# Altium PCB ZoM-Model-A.PcbDoc (part 3 of 3)
Units mm, origin at the board's own origin, x right, y up, seen from the top; angles counter-clockwise.
Board outline 75 x 40 mm, 6 copper layers (L 01, L 02 Gnd, L 03 1.8V 3.3V, L 04 1.0V SIG, L 05 Gnd, L 06), stack 1.207 mm thick; 145 components, 295 nets, 917 pads, 329 vias.
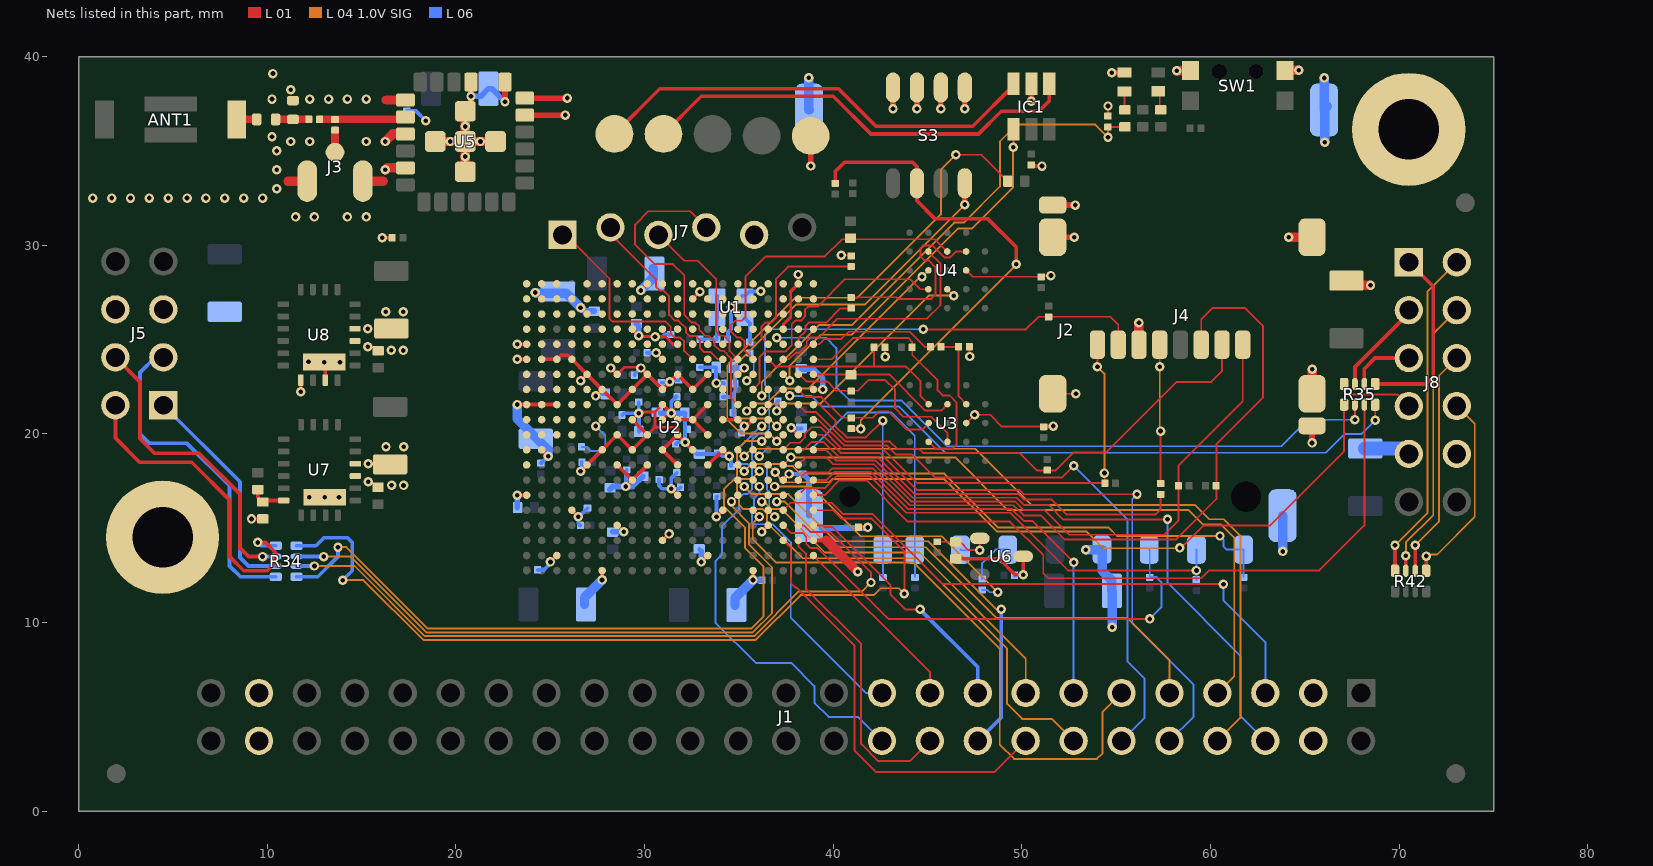
[diagram p7: the nets of this part, all layers, seen from the top]

## Via types
v1: diameter 0.5, hole 0.25, L 01 to L 06, 329 vias

## Nets (pads, with @x,y where several pads share a name; then routed paths per layer and width w, separated by ;. In a path a pad name is that pad's centre, name@x,y a point inside that pad or via, vN(x,y) a via of type N, cw(c..) or ccw(c..) an arc to the next point about the centre after c; other vN are vias at no path point) (continued)
GND: C1.2 C2.2 C3.2 C4.2 C5.2 C6.2 C7.2 C8.2 C9.2 C10.2 C11.2 C12.2 C13.2 C14.2 C15.2 C16.2 C17.2 C18.2 C19.2 C20.2 C21.2 C22.1 C23.2 C24.2 C25.2 C26.2 C27.2 C28.2 C29.2 C30.2 C31.1 C32.1 C33.1 C34.2 C35.2 C36.2 C37.2 C38.2 C39.2 C40.2 C41.2 C42.2 C43.2 C44.2 C45.2 C46.2 C47.2 C48.2 C49.2 C50.2 C51.2 C52.2 C53.2 C54.2 C55.2 C56.2 C57.2 C58.2 C59.2 C60.1 C61.2 C62.2 C63.2 C64.2 C65.2 D3.K H1.1 H4.1 IC1.2 J1.3 J1.4 J1.47 J1.48 J2.3 J2.12 J3.2 J3.3 J4.6 J4.9 J4.10 J4.F1 J4.F2 J4.F3 J4.F4 J5.5 J5.6 J7.5 J8.5 J8.11 L3.2 R9.1 R10.1 R11.1 R13.1 R33.2 R41.2 S3.1 S3.2 S3.3 S3.4 SW1.3 SW1.4 TP2.1 U1.2 U2.A8 U2.A18 U2.B1 U2.B11 U2.C4 U2.C9 U2.C14 U2.D17 U2.E10 U2.E20 U2.F3 U2.F7 U2.F10 U2.G10 U2.G12 U2.G16 U2.H7 U2.H9 U2.H11 U2.H13 U2.H19 U2.J2 U2.J8 U2.J10 U2.J12 U2.K5 U2.K7 U2.K9 U2.K10 U2.K11 U2.K13 U2.K15 U2.L8 U2.L9 U2.L10 U2.L12 U2.L18 U2.M1 U2.M7 U2.M11 U2.M13 U2.N4 U2.N8 U2.N10 U2.N12 U2.N14 U2.P7 U2.P9 U2.P11 U2.P13 U2.P17 U2.R8 U2.R12 U2.R20 U2.T3 U2.T7 U2.T13 U2.U6 U2.U16 U2.V6 U2.V9 U2.V19 U2.W2 U2.W6 U2.W9 U2.W12 U2.Y5 U2.Y6 U2.Y9 U2.Y15 U3.B3 U4.B3 U5.5 U5.6 U5.7 U5.9 U5.13 U5.15 U5.17 U5.25 U5.26 U5.27 U5.28 U5.29 U6.3 U7.3 U7.4 U7.21 U8.3 U8.4 U8.17 U8.19 U8.21 | length 196.8
  L 01 w0.1: v1(29.687,25.215) v1@29.697,25.205 ; U2.L10@30.947,20.755 31.347,21.155 U2.K9@31.747,21.555 ; v1(40.426,29.473) R10.1@40.926,29.473 ; v1(42.748,24.097) 42.748,24.591 R13.1@42.749,24.592 ; U4.B3@47.042,28.669 47.382,28.329 C7.2@50.88,28.329 ; U3.B3@47.052,20.577 v1(47.489,21.014) 48.311,21.014 48.935,20.39 C22.1@51.147,20.39 ; v1@47.197,24.087 47.223,24.113 R11.1@47.223,24.623 ; C20.2@50.49,34.248 C20.2@50.542,34.196 ; v1@50.503,37.702 v1@50.55,37.654 ; C7.2@51.019,28.335 51.076,28.392 v1(51.535,28.392) ; J4.F2@51.628,22.131 v1(52.861,22.131) ; v1@51.635,20.39 v1(51.664,20.418) ; R9.1@54.561,36.855 v1@54.561,37.381
  L 01 w0.15: U2.P7@28.547,23.155 28.922,23.53 29.772,23.53 v1(29.807,23.495) ; v1(29.687,21.095) 29.746,21.154 30.546,21.154 ; v1@29.697,25.205 29.746,25.157 v1(30.554,25.157) 31.102,25.157 31.504,24.755 U2.K5@31.747,24.755 ; v1@29.772,27.58 v1(29.797,27.605) ; U2.M11@30.147,19.955 30.546,20.354 ; U2.L9@30.947,21.555 30.546,21.154 ; 31.747,20.402 31.699,20.354 30.546,20.354 ; U2.C4@37.347,25.555 37.347,25.791 37.744,26.188 37.744,27.552 ; 30.546,20.354 30.546,21.154
  L 01 w0.2: v1(9.165,15.493) R33.2@9.746,15.493 ; U8.17@11.775,22.85 11.775,22.245 v1@11.782,22.237 ; v1(13.025,23.8) 13.075,23.75 U8.19@13.075,22.85 ; v1(16.1,30.4) C64.2@16.615,30.4 ; v1(23.252,16.755) U2.Y15@23.747,16.755 ; v1(23.252,21.555) U2.Y9@23.747,21.555 U2.W9@24.547,21.555 U2.V9@25.347,21.555 ; v1(23.252,23.955) U2.Y6@23.747,23.955 ; v1(23.252,24.755) U2.Y5@23.747,24.755 ; v1(24.207,27.495) U2.W2@24.547,27.155 ; U2.W12@24.547,19.155 v1(24.887,18.815) ; U2.W6@24.547,23.955 U2.V6@25.347,23.955 25.562,24.17 25.932,24.17 U2.U6@26.147,23.955 U2.T7@26.947,23.155 ; v1(25.007,13.215) U2.V19@25.347,13.555 ; U2.U16@26.147,15.955 v1(26.487,15.615) ; v1(26.607,18.015) U2.T13@26.947,18.355 U2.R12@27.747,19.155 U2.P11@28.547,19.955 U2.N12@29.347,19.155 U2.M11@30.147,19.955 U2.N10@29.347,20.755 v1(29.687,21.095) ; v1(26.607,22.815) U2.T7@26.947,23.155 ; v1(26.607,26.695) U2.T3@26.947,26.355 ; v1(27.407,22.015) U2.R8@27.747,22.355 ; v1(27.747,12.26) U2.R20@27.747,12.755 ; v1(28.207,23.495) U2.P7@28.547,23.155 ; U2.P17@28.547,15.155 v1(28.887,14.815) ; U2.P13@28.547,18.355 U2.N14@29.347,17.555 ; v1(29.007,17.215) U2.N14@29.347,17.555 ; U2.N4@29.347,25.555 v1(29.687,25.215) ; v1(29.797,27.605) U2.M1@30.147,27.955 ; v1(29.807,23.495) U2.M7@30.147,23.155 ; U2.M13@30.147,18.355 U2.N14@29.347,17.555 ; U2.L18@30.947,14.355 31.292,14.7 v1(31.296,14.7) ; U2.L9@30.947,21.555 31.347,21.155 v1(31.407,21.095) U2.K10@31.747,20.755 ; v1(31.407,17.095) U2.K15@31.747,16.755 ; U2.K13@31.747,18.355 U2.L12@30.947,19.155 U2.K11@31.747,19.955 ; U2.J12@32.547,19.155 v1(32.147,19.555) U2.K11@31.747,19.955 ; U2.J2@32.547,27.155 32.871,27.479 v1@32.876,27.479 ; v1(33.007,13.215) U2.H19@33.347,13.555 ; U2.H13@33.347,18.355 U2.G12@34.147,19.155 v1(34.487,18.815) ; U2.H11@33.347,19.955 U2.J10@32.547,20.755 ; U2.H9@33.347,21.555 U2.J10@32.547,20.755 ; U2.H7@33.347,23.155 U2.J8@32.547,22.355 U2.K7@31.747,23.155 U2.L8@30.947,22.355 U2.M7@30.147,23.155 ; v1(33.807,15.615) U2.G16@34.147,15.955 ; U2.G10@34.147,20.755 U2.F10@34.947,20.755 v1(35.287,20.415) 35.407,20.415 U2.E10@35.747,20.755 ; v1@34.607,26.695 U2.F3@34.947,26.355 ; U2.F7@34.947,23.155 v1(35.287,23.495) ; v1(35.747,12.26) U2.E20@35.747,12.755 ; v1(36.207,14.815) U2.D17@36.547,15.155 ; v1(37.007,21.215) U2.C9@37.347,21.555 ; U2.C14@37.347,17.555 v1@37.687,17.895 ; 37.744,27.552 U2.B1@38.147,27.955 v1(38.147,28.45) ; v1@37.807,20.295 U2.B11@38.147,19.955 ; U2.A18@38.947,14.355 39.636,14.355 ; U2.A8@38.947,22.355 v1(39.442,22.355) ; C4.2@41.342,15.049 41.816,15.049 v1(41.822,15.043) ; R41.2@46.5,13.383 48.793,13.383 49.637,12.539 50.066,12.539 U6.3@50.066,13.513 ; C20.2@50.542,34.196 v1(51.064,34.196) ; C22.1@51.147,20.39 v1@51.635,20.39 ; U2.T7@26.947,23.155 U2.R8@27.747,22.355 ; U2.R8@27.747,22.355 U2.P9@28.547,21.555 U2.N8@29.347,22.355 U2.M7@30.147,23.155 ; U2.K11@31.747,19.955 31.747,20.402 U2.K10@31.747,20.755 ; U2.K10@31.747,20.755 U2.J10@32.547,20.755
  L 01 w0.3: U5.28@20.5,37.1 20.8,37.4 v1(20.8,37.9) U5.9@20.8,38.65 ; v1(22.6,37.6) U5.7@22.6,38.65 ; U5.5@23.65,36.9 v1(25.8,36.9) ; U5.6@23.65,37.8 v1(25.9,37.8) ; v1(38.8,34.2) TP2.1@38.8,35.8 ; v1(43.166,37.236) S3.4@43.166,38.364 ; v1(44.436,37.236) S3.3@44.436,38.364 ; v1(45.706,37.236) S3.2@45.706,38.364 ; v1(46.976,37.236) S3.1@46.976,38.364 ; v1@50.503,37.702 IC1.2@50.503,38.554 ; J4.F4@51.628,30.431 v1(52.769,30.431) ; J4.10@51.628,32.131 v1(52.831,32.131) ; v1(54.76,39.15) D3.K@55.444,39.151 ; v1(65.378,19.522) J4.9@65.378,20.431
  L 01 w0.5: 11.1,33.4 J3.2@12.115,33.4 ; J3.3@15.065,33.4 16.15,33.4 ; v1(16.25,34) 16.35,34.1 U5.17@17.325,34.1 ; v1(16.25,35.5) 16.65,35.9 U5.15@17.325,35.9 ; 16.3,37.7 U5.13@17.325,37.7 ; U5.29@18.9,35.5 U5.27@20.5,35.5 ; U5.26@20.5,33.9 U5.27@20.5,35.5 ; U5.28@20.5,37.1 U5.27@20.5,35.5 ; U5.25@22.1,35.5 U5.27@20.5,35.5 ; 39.636,14.355 v1(41.3,12.691) ; J4.6@56.203,24.731 v1(56.203,25.899) ; v1(58.21,39.257) SW1.3@58.932,39.257 ; SW1.4@63.932,39.257 63.95,39.276 v1(64.68,39.276) ; v1(64.145,30.431) J4.F3@65.378,30.431 ; J4.F1@65.375,22.129 J4.F1@65.378,22.131 65.385,22.139 v1(65.385,23.421) ; C42.2@67.191,27.876 67.199,27.883 v1(68.476,27.883)
  L 06 w0.1: v1@24.883,18.81 v1(24.887,18.815) ; v1(26.607,22.815) v1@26.741,22.949 ; v1(28.887,14.815) v1@28.938,14.866 ; v1@29.586,25.317 v1(29.687,25.215) ; v1@29.736,21.046 v1(29.687,21.095) 29.691,21.099 v1@29.781,21.189 ; C58.2@30.764,21.189 C58.2@30.857,21.095 ; C49.2@32.127,21.095 C49.2@32.129,21.097 ; v1(34.487,18.815) v1@34.57,18.732
  L 06 w0.2: C65.2@17.4,37.115 17.885,37.115 v1(18.4,36.6) ; C12.2@24.339,12.794 24.651,12.794 25.007,13.15 v1(25.007,13.215) ; C15.2@24.492,18.457 24.529,18.457 v1@24.883,18.81 ; C13.2@26.584,15.15 26.487,15.246 v1(26.487,15.615) 26.524,15.615 C14.2@26.973,16.064 ; v1(26.607,18.015) 26.667,18.075 C47.2@26.667,18.508 ; v1(27.407,22.015) 27.509,22.117 C55.2@27.912,22.117 ; C46.2@28.817,21.002 28.911,21.095 v1(29.687,21.095) ; v1(29.007,17.215) 29.007,18.045 C35.2@29.052,18.09 ; C36.2@29.472,23.111 29.472,23.161 v1(29.807,23.495) ; v1@29.691,21.099 C38.2@29.691,21.679 ; C52.2@29.71,20.134 29.71,21.02 v1@29.736,21.046 ; v1(30.554,25.157) 30.558,25.153 30.951,25.153 31.068,25.27 C31.1@31.389,25.27 ; C43.2@30.768,17.589 30.768,17.258 30.93,17.095 v1(31.407,17.095) ; C50.2@30.895,22.718 31.29,22.718 v1(31.337,22.765) 31.417,22.845 C45.2@31.804,22.845 ; v1(31.407,21.095) 31.407,21.692 C44.2@31.697,21.981 ; C23.2@31.66,19.471 31.744,19.555 v1(32.147,19.555) ; C41.2@31.703,17.935 31.407,17.64 v1(31.407,17.095) ; C18.2@31.896,17.175 31.817,17.095 v1(31.407,17.095) ; C49.2@32.129,21.097 32.147,21.079 v1(32.147,19.555) ; C17.2@32.892,13.897 C17.2@33.007,13.781 ; v1(33.807,15.615) 33.807,16.651 C40.2@33.834,16.677 ; C48.2@33.883,18.988 33.833,18.938 32.764,18.938 v1(32.147,19.555) ; C48.2@33.934,18.997 34.116,18.815 v1(34.487,18.815) ; C33.1@34.15,21.959 34.704,21.959 ; C1.2@34.417,25.022 34.417,25.403 34.581,25.568 v1(34.581,26.72) 35.181,27.32 U1.2@35.331,27.32 35.554,27.542 v1@36.136,27.542 ; v1@34.57,18.732 34.583,18.72 C34.2@34.583,18.288 ; C63.2@34.7,23.531 34.736,23.495 34.794,23.438 34.794,22.672 34.818,22.648 34.818,22.269 34.704,22.155 34.704,20.998 v1(35.287,20.415) 35.141,20.269 C32.1@35.141,20.056 ; v1(35.747,12.26) v1@35.757,12.27 ; v1(37.007,21.215) 37.007,21.684 C6.2@37.069,21.746 ; v1(37.657,17.875) 37.659,17.877 C3.2@38.393,17.877 ; v1(37.777,20.325) 37.809,20.293 C2.2@38.316,20.293 ; C8.2@49.621,12.5 49.66,12.539 v1(50.073,12.539)
  L 06 w0.3: v1(20.8,37.9) 21.325,37.9 C25.2@21.725,38.3 21.9,38.3 v1(22.6,37.6) ; v1(23.252,16.755) 23.252,16.101 C11.2@23.255,16.099 ; v1(26.607,26.695) 26.783,26.519 C56.2@27.331,26.519 ; C51.2@28.166,17.068 28.313,17.215 v1(29.007,17.215) 29.363,17.215 C53.2@29.908,17.761 ; C10.2@28.306,14.807 28.879,14.807 v1(28.887,14.815) ; C54.2@29.567,25.845 29.687,25.724 v1(29.687,25.215) ; C58.2@30.857,21.095 v1(31.407,21.095) 31.409,21.097 C49.2@32.129,21.097 ; v1(33.007,13.215) C17.2@33.007,13.781 ; C63.2@34.736,23.495 v1(35.287,23.495) ; v1@35.758,12.25 C19.2@36.215,12.25 ; C5.2@38.308,23.442 38.938,23.442 39.442,22.938 v1(39.442,22.355) ; C3.2@38.393,17.887 38.716,17.564 J2.12@38.716,15.668 ; J2.12@39.371,15.013 41.792,15.013 v1(41.822,15.043)
  L 06 w0.5: v1(23.252,21.555) 23.252,20.796 24.883,19.166 v1@24.883,18.81 ; v1(24.207,27.495) 24.235,27.468 25.835,27.468 v1(26.607,26.695) ; C9.2@26.814,10.962 26.814,11.327 v1(27.747,12.26) ; v1(29.797,27.605) 30.453,28.261 C60.1@30.453,28.782 ; C16.2@34.791,10.93 34.791,11.304 v1(35.747,12.26) ; v1(38.705,38.885) 38.705,37.178 J2.12@38.716,37.168 ; v1(53.389,13.868) J2.3@54.246,13.868 54.246,12.75 54.767,12.228 C21.2@54.767,11.682 54.783,11.666 v1(54.783,9.754) ; J2.12@63.816,15.668 63.816,13.775 v1(63.82,13.771) ; v1(66.019,38.87) J2.12@66.019,37.198 ; v1(66.049,35.466) 66.049,37.135 J2.12@66.016,37.168 ; J2.12@66.184,37.362 J2.12@66.019,37.198 ; J2.12@66.016,37.168 66.019,37.171 J2.12@66.019,37.198 ; J2.12@66.016,37.168 66.016,37.194 J2.12@66.019,37.198
  L 06 w0.75: C30.2@68.2,19.225 70.225,19.225 J8.5@70.51,18.94
  other v1: 12.23,16.648 13.045,16.644 13.8,16.64 17.225,17.271 16.587,17.285 15.352,17.463 15.35,18.412 16.293,19.313 17.232,19.32 11.779,22.235 13.857,23.806 12.18,23.827 47.234,24.105 17.205,24.427 16.567,24.442 15.331,24.619 15.33,25.568 16.273,26.469 17.212,26.477 32.934,27.537 36.151,27.557 11.5,31.5 12.5,31.5 14.25,31.5 15.25,31.5 0.75,32.5 1.75,32.5 2.75,32.5 3.75,32.5 4.75,32.5 5.75,32.5 6.75,32.5 7.75,32.5 8.75,32.5 9.75,32.5 10.5,33 10.5,34 20.5,34.7 10.5,35 11.25,35.5 12.25,35.5 15.25,35.5 19.7,35.5 21.3,35.5 10.25,35.75 20.5,36.3 54.561,37.381 50.497,37.631 10.25,37.75 12.25,37.75 13.25,37.75 14.25,37.75 15.25,37.75 11.25,38.25 10.3,39.1
INIT: R38.1 U2.R10 | length 3.2
  L 01 w0.1: v1(27.407,20.415) U2.R10@27.747,20.755
  L 06 w0.1: R38.1@26.657,19.309 26.917,19.309 27.127,19.099 27.695,19.099 27.916,19.32 27.916,19.906 v1(27.407,20.415)
JTAG_R: R12.1 R39.2 S3.6 | length 26.9
  L 01 w0.2: R39.2@40.1,33.285 40.1,33.9 40.6,34.4 44.2,34.4 44.436,34.164 S3.6@44.436,33.284 44.436,32.364 45.4,31.4 48.2,31.4 49.7,29.9 v1(49.7,29) ; R12.1@40.954,20.28 40.968,20.265 v1(41.459,20.265)
  L 04 1.0V SIG w0.1: v1(41.459,20.265) 41.459,20.724 v1@49.717,28.983
MEM_PROTECT: J2.6 R23.1 R41.1 U6.1 | length 4.1
  L 01 w0.1: R23.1@45.5,14.285 46.498,14.285 R41.1@46.5,14.283 46.533,14.25 46.75,14.25 47.157,13.843 47.766,13.843 U6.1@47.766,14.463
  L 06 w0.1: J2.6@46.746,13.868 46.776,13.837 v1(47.76,13.837)
MIO7: R9.2 R24.2 U2.D8 | length 28.3
  L 01 w0.1: v1(36.207,22.015) U2.D8@36.547,22.355 ; v1(54.561,35.728) 54.561,36.265 55.436,36.265 R24.2@55.437,36.266
  L 04 1.0V SIG w0.1: v1(36.207,22.015) 36.207,22.741 39.234,25.768 40.969,25.768 46.401,31.2 46.915,31.2 48.838,33.123 48.838,35.509 49.728,36.399 53.89,36.399 v1(54.561,35.728)
MIO14: R35.6 U2.C5 | length 36.1
  L 01 w0.1: v1(37.007,25.095) U2.C5@37.347,24.755 ; v1(67.65,20.75) R35.6@67.65,21.55
  L 06 w0.1: v1(37.007,25.095) 39.623,25.095 40.167,24.552 40.167,22.471 40.86,21.777 43.606,21.777 46.034,19.35 63.75,19.35 65.15,20.75 v1(67.65,20.75)
MIO15: R35.8 U2.C8 | length 34.3
  L 01 w0.1: U2.C8@37.347,22.355 v1(37.687,22.015) ; v1(68.725,20.725) R35.8@68.725,21.55
  L 06 w0.1: v1(37.687,22.015) 38.823,22.015 39.393,21.446 43.488,21.446 45.934,19 66.1,19 67.1,20 68,20 v1(68.725,20.725)
MIO16: J1.19 U2.A19 | length 9.8
  L 01 w0.1: U2.A19@38.947,13.555 45.12,7.382 J1.19@45.12,6.27
MIO17: J1.21 U2.E14 | length 15.5
  L 01 w0.1: U2.E14@35.747,17.555 v1(36.087,17.215)
  L 06 w0.1: v1(36.087,17.215) 36.087,16.861 35.807,16.581 35.807,15.9 35.687,15.781 35.687,15.325 35.798,15.215 36.785,15.215 37.75,14.25 37.75,12.427 37.748,12.426 37.748,10.252 41.73,6.27 J1.21@42.58,6.27
MIO18: J1.20 U2.B18 | length 16.6
  L 01 w0.1: U2.B18@38.147,14.355 38.147,14.053 38.547,13.653 38.547,11.797 41.472,8.873 41.472,3.565 42.381,2.656 44.047,2.656 J1.20@45.12,3.73
MIO19: J1.22 U2.D10 | length 24.9
  L 01 w0.1: v1(36.207,20.415) U2.D10@36.547,20.755
  L 04 1.0V SIG w0.1: v1(36.207,20.415) v1@36.256,20.415
  L 06 w0.1: v1(36.207,20.415) 36.159,20.415 34.887,19.144 34.887,18.649 35.122,18.415 35.453,18.415 35.687,18.181 35.687,17.049 35.453,16.815 35.241,16.815 35.007,16.581 35.007,16.007 34.1,15.1 34.1,13.6 33.75,13.25 33.75,10 35.89,7.86 37.77,7.86 39,6.63 39,5.75 39.75,5 41.31,5 J1.22@42.58,3.73
MIO20: J1.17 U2.A17 | length 13.5
  L 01 w0.1: U2.A17@38.947,15.155 39.426,15.155 39.518,15.064 39.964,15.064 43.025,12.003 43.025,11.503 43.828,10.7 v1(44.6,10.7)
  L 06 w0.2: v1(44.6,10.7) 47.66,7.64 J1.17@47.66,6.27
MIO21: J1.18 U2.F14 | length 24.3
  L 01 w0.1: U2.F14@34.947,17.555 v1(35.287,17.215)
  L 04 1.0V SIG w0.1: v1(35.287,17.215) 35.687,16.815 37.62,16.815 40.125,14.31 45.028,14.31 48.638,10.7 v1(48.9,10.7)
  L 06 w0.2: J1.18@47.66,3.73 48.9,4.97 v1(48.9,10.7)
MIO22: R34.7 U2.B17 | length 38.6
  L 01 w0.1: U2.B17@38.147,15.155 38.44,15.155 38.796,14.799 39.859,14.799 41.999,12.659 v1(41.999,12.127)
  L 04 1.0V SIG w0.1: v1(12.5,13) 14.629,13 18.349,9.28 35.808,9.28 38.182,11.654 41.527,11.654 v1(41.999,12.127)
  L 06 w0.2: R34.7@11.55,13 v1(12.5,13)
MIO23: R34.8 U2.D11 | length 39.7
  L 01 w0.1: v1(36.207,19.615) U2.D11@36.547,19.955
  L 04 1.0V SIG w0.1: v1(13.75,14) 14.195,14 18.515,9.68 35.644,9.68 36.309,10.345 36.309,12.969 35.331,13.947 35.331,15.037 34.207,16.161 34.207,17.057 34.887,17.737 34.887,19.177 35.326,19.615 v1(36.207,19.615)
  L 06 w0.2: R34.8@11.55,12.425 12.675,12.425 13.75,13.5 v1(13.75,14)
MIO24: R34.5 U2.A16 | length 45.7
  L 01 w0.1: U2.A16@38.947,15.955 40,15.955 40.442,15.513 42.039,15.513 43.767,13.785 v1(43.767,11.533)
  L 04 1.0V SIG w0.1: v1(14,12.25) 15.097,12.25 18.267,9.08 35.89,9.08 38.265,11.455 42.147,11.455 42.512,11.82 43.48,11.82 v1(43.767,11.533)
  L 06 w0.2: R34.5@11.55,14.075 12.575,14.075 13,14.5 14.25,14.5 14.5,14.25 14.5,12.75 v1(14,12.25)
MIO25: R34.6 U2.F15 | length 34.6
  L 01 w0.1: v1(34.607,16.415) U2.F15@34.947,16.755
  L 04 1.0V SIG w0.1: v1(13,13.5) 14.412,13.5 18.432,9.48 35.727,9.48 36.752,10.505 36.752,12.932 35.531,14.154 35.531,15.262 34.607,16.186 v1(34.607,16.415)
  L 06 w0.2: R34.6@11.55,13.5 v1(13,13.5)
MIO26: R35.7 U2.A15 | length 39.8
  L 01 w0.1: U2.A15@38.947,16.755 39.546,16.755 40.328,17.537 41.766,17.537 43.948,15.354 49.359,15.354 51.129,13.584 51.129,12.615 51.392,12.353 59.517,12.353 59.931,12.767 65.767,12.767 68.15,15.15 R35.7@68.15,21.55
MIO27: R35.5 U2.D13 | length 37
  L 01 w0.1: U2.D13@36.547,18.355 v1@36.887,18.015 ; v1@58.433,13.957 59.626,15.15 63.15,15.15 67.075,19.075 R35.5@67.075,21.55
  L 04 1.0V SIG w0.1: v1@36.887,18.015 36.887,17.932 37.38,17.44 39.784,17.44 39.954,17.61 45.891,17.61 48.668,14.834 53.414,14.834 54.31,13.938 v1@58.338,13.938
  other v1: 58.363,13.957 36.927,17.965
MIO28: J1.5 U2.C16 | length 32
  L 01 w0.1: U2.C16@37.347,15.955 37.745,16.353 39.923,16.353 40.514,15.762 42.072,15.762 45.781,12.052 v1@60.679,12.052
  L 06 w0.1: v1(60.679,12.035) 60.679,11.177 62.9,8.956 J1.5@62.9,6.27
MIO29: J1.7 U2.C13 | length 34.4
  L 01 w0.1: U2.C13@37.347,18.355 v1@37.687,18.695
  L 04 1.0V SIG w0.1: v1@37.687,18.695 37.747,18.755 46.465,18.755 49.257,15.963 58.835,15.963 59.583,15.215 60.548,15.215 61.254,14.509 61.254,7.164 J1.7@60.36,6.27
  other v1: 37.757,18.755
MIO30: J1.9 U2.C15 | length 26.5
  L 01 w0.1: v1(37.007,16.415) U2.C15@37.347,16.755
  L 04 1.0V SIG w0.1: v1(37.007,16.415) 37.417,16.415 39.84,13.992 44.895,13.992 48.629,10.259 55.581,10.259 57.82,8.02 J1.9@57.82,6.27
MIO31: J1.11 U2.E16 | length 32
  L 01 w0.1: U2.E16@35.747,15.955 v1(36.087,15.615)
  L 04 1.0V SIG w0.1: v1@36.087,15.567 v1(36.087,15.615) 35.731,15.258 35.731,14.418 36.973,13.176 44.261,13.176 48.827,8.61 48.827,3.534 49.588,2.772 53.973,2.772 54.278,3.077 54.278,5.268 J1.11@55.28,6.27
MIO32: J1.13 U2.A14 | length 22.9
  L 01 w0.1: U2.A14@38.947,17.555 39.639,17.555 40.057,17.973 42.011,17.973 43.963,16.02 49.467,16.02 50.097,15.391 50.549,15.391 v1(52.749,13.191)
  L 06 w0.1: J1.13@52.74,6.27 v1@52.74,13.191
MIO33: J1.15 U2.D15 | length 19.8
  L 01 w0.1: v1(36.207,16.415) U2.D15@36.547,16.755
  L 04 1.0V SIG w0.1: v1@36.207,16.383 v1(36.207,16.415) 36.339,16.415 36.739,16.015 37.258,16.015 39.558,13.715 44.573,13.715 50.2,8.087 J1.15@50.2,6.27
MIO34: J1.6 U2.A12 | length 34.2
  L 01 w0.1: U2.A12@38.947,19.155 39.599,19.155 40.163,18.59 42.242,18.59 44.212,16.62 49.716,16.62 50.097,16.238 51.409,16.238 52.175,15.473 v1(57.717,15.473)
  L 06 w0.1: v1(57.717,15.473) 57.717,12.099 61.595,8.221 61.595,5.036 J1.6@62.9,3.73
MIO35: J1.8 U2.F12 | length 40.2
  L 01 w0.1: U2.F12@34.947,19.155 v1(35.287,18.815)
  L 04 1.0V SIG w0.1: v1(35.287,18.815) 35.687,19.215 47.523,19.215 50.5,16.238 59.162,16.238 59.925,15.476 60.707,15.476 61.576,14.607 61.576,4.945 J1.8@60.36,3.73
MIO36: J1.10 U2.A11 | length 33.5
  L 01 w0.1: U2.A11@38.947,19.955 39.426,19.955 40.391,18.99 42.471,18.99 44.441,17.02 49.881,17.02 50.099,16.802 v1(56.1,16.802)
  L 06 w0.1: v1(56.1,16.802) 55.845,16.547 55.845,9.953 59.099,6.698 59.099,5.009 J1.10@57.82,3.73
MIO37: J1.12 U2.A10 | length 32
  L 01 w0.1: U2.A10@38.947,20.755 39.206,20.755 40.571,19.39 42.845,19.39 43.333,18.902 44.187,18.902 45.391,17.698 52.133,17.698 v1(52.745,18.31)
  L 06 w0.1: v1(52.745,18.31) 55.6,15.455 55.6,7.932 56.497,7.035 56.497,4.947 J1.12@55.28,3.73
MIO38: J1.14 U2.E13 | length 28.1
  L 01 w0.1: U2.E13@35.747,18.355 v1(36.087,18.015)
  L 04 1.0V SIG w0.1: v1(36.087,18.015) 35.687,17.615 35.048,17.615 34.887,17.454 34.887,16.915 35.007,16.795 35.007,16.249 35.241,16.015 36.253,16.015 36.487,15.781 36.487,15.303 38.378,13.412 44.421,13.412 49.216,8.617 49.216,5.693 50.014,4.895 51.575,4.895 J1.14@52.74,3.73
MIO39: J1.16 U2.C18 | length 23
  L 01 w0.1: U2.C18@37.347,14.355 37.748,13.954 37.748,12.095 37.982,11.861 38.039,11.861 41.127,8.773 41.127,3.22 42.272,2.075 48.545,2.075 J1.16@50.2,3.73
MIO40: R26.1 U2.D14 | length 15.5
  L 01 w0.1: U2.D14@36.547,17.555 v1(36.887,17.215)
  L 04 1.0V SIG w0.1: v1(36.887,17.215) 38.813,17.215 41.453,14.575 45.758,14.575 v1(48.715,11.618)
  L 06 w0.1: R26.1@47.892,11.721 48.173,11.721 48.283,11.611 48.708,11.611 v1(48.715,11.618)
MIO41: J2.2 R17.2 U2.C17 | length 26.1
  L 01 w0.1: U2.C17@37.347,15.155 37.752,14.751 38.374,14.751 38.566,14.559 38.566,14.185 38.792,13.959 39.149,13.959 42.914,10.193 v1(56.773,10.193)
  L 06 w0.1: J2.2@56.746,13.868 56.775,13.838 56.775,12.409 57.124,12.409 57.388,12.145 57.388,10.809 v1(56.773,10.193)
MIO42: J2.7 R28.2 U2.E12 | length 17.7
  L 01 w0.1: U2.E12@35.747,19.155 v1(36.087,18.815)
  L 06 w0.1: v1(36.087,18.815) 36.487,19.215 38.849,19.215 40.779,21.146 43.072,21.146 44.321,19.897 J2.7@44.321,13.868 44.333,13.856 R28.2@44.333,12.409
MIO43: J2.8 R29.2 U2.A9 | length 13.2
  L 01 w0.1: U2.A9@38.947,21.555 39.279,21.555 40.109,20.725 40.109,20.418 40.71,19.817 41.731,19.817 v1(42.621,20.707)
  L 06 w0.1: v1(42.621,20.707) J2.8@42.621,13.868 42.635,13.853 R29.2@42.635,12.409
MIO44: J2.9 R30.2 U2.F13 | length 30.7
  L 01 w0.1: U2.F13@34.947,18.355 v1(35.287,18.015)
  L 04 1.0V SIG w0.1: v1(35.287,18.015) 35.687,18.415 36.072,18.415 37.402,18.415 37.522,18.295 37.86,18.295 38.262,17.893 45.889,17.893 48.75,15.033 54.596,15.033 55.039,14.589 v1(60.498,14.589)
  L 06 w0.1: v1(60.498,14.589) 60.68,14.407 60.68,14.047 60.86,13.868 J2.9@61.746,13.868 61.749,13.864 R30.2@61.749,12.409
MIO45: J2.1 R16.2 U2.B15 | length 25.2
  L 01 w0.1: U2.B15@38.147,16.755 38.532,17.14 39.565,17.14 40.198,17.773 41.928,17.773 43.881,15.82 49.384,15.82 52.442,12.762 v1(59.247,12.762)
  L 06 w0.1: R16.2@59.243,12.243 59.243,13.865 J2.1@59.246,13.868
MIO46: J4.7 R19.2 U2.D16 | length 31.8
  L 01 w0.1: U2.D16@36.547,15.955 v1(36.887,15.615) ; v1(44.768,25.543) 50.214,25.543 50.881,26.21 54.682,26.21 55.103,25.788 J4.7@55.103,24.731
  L 06 w0.1: v1(36.887,15.615) 36.607,15.895 36.607,16.93 36.487,17.049 36.487,18.181 36.253,18.415 35.922,18.415 35.687,18.649 35.687,19.661 36.041,20.015 36.373,20.015 36.607,20.249 36.607,21.169 36.607,22.375 36.376,22.606 36.376,25.248 36.675,25.547 v1@44.768,25.547
MIO47: J4.3 R22.2 U2.B14 | length 40.3
  L 01 w0.1: U2.B14@38.147,17.555 38.547,17.955 39.727,17.955 39.944,18.173 42.094,18.173 44.046,16.22 49.55,16.22 50.091,15.679 51.002,15.679 52.283,14.398 58.153,14.398 60.306,16.551 60.306,17.254 60.306,19.461 62.772,21.927 62.772,25.723 61.826,26.669 60.099,26.669 59.503,26.073 J4.3@59.503,24.731
MIO48: R27.1 U2.B12 | length 21.8
  L 01 w0.1: U2.B12@38.147,19.155 38.423,19.155 38.836,19.568 39.503,19.568 40.281,18.79 42.324,18.79 44.295,16.82 49.799,16.82 50.087,16.532 51.553,16.532 52.353,15.732 57.088,15.732 57.353,15.997 R27.1@57.353,16.732
MIO49: J4.8 R20.2 U2.C12 | length 26.4
  L 01 w0.1: U2.C12@37.347,19.155 37.725,19.533 38.22,19.533 38.497,19.81 38.497,20 38.849,20.352 39.326,20.352 40.488,19.19 42.647,19.19 44.448,17.39 54.387,17.39 54.387,17.911 v1(54.372,17.926) ; v1(54.003,23.563) J4.8@54.003,24.731
  L 04 1.0V SIG w0.1: v1(54.003,23.563) 54.372,23.194 v1(54.372,17.926)
MIO50: J4.1 R18.2 U2.B13 | length 33.1
  L 01 w0.1: U2.B13@38.147,18.355 38.562,18.77 39.625,18.77 40.005,18.39 42.159,18.39 44.129,16.42 49.633,16.42 50.089,15.963 51.21,15.963 52.52,14.654 57.534,14.654 58.303,15.423 58.303,18.339 61.703,21.739 J4.1@61.703,24.731
MIO51: J4.2 R21.2 U2.B9 | length 27.5
  L 01 w0.1: U2.B9@38.147,21.555 38.55,21.153 39.091,21.153 40.654,19.59 43.002,19.59 43.38,19.212 44.541,19.212 44.759,18.994 49.858,18.994 50.784,18.068 51.332,18.068 51.794,18.068 52.755,19.029 54.467,19.029 58.196,22.758 60.04,22.758 60.603,23.32 J4.2@60.603,24.731
MIO52: S3.8 U2.C10 | length 22.4
  L 01 w0.1: v1@37.007,20.415 U2.C10@37.347,20.755
  L 01 w0.3: v1(46.976,32.156) S3.8@46.976,33.284
  L 04 1.0V SIG w0.1: v1@37.007,20.415 36.607,20.815 34.933,20.815 34.804,20.944 34.804,23.641 38.019,26.856 41.676,26.856 v1(46.976,32.156)
  other v1: 37.007,20.405
MIO53: R25.2 U2.C11 | length 27.9
  L 01 w0.1: v1(37.007,19.615) U2.C11@37.347,19.955 ; v1(46.5,34.8) 47.85,34.8 R25.2@49.25,33.4
  L 04 1.0V SIG w0.1: v1(37.007,19.615) 36.607,20.015 35.122,20.015 34.379,20.758 34.379,23.609 37.985,27.216 41.282,27.216 45.706,31.639 45.706,34.006 v1(46.5,34.8)
NetANT1_1: ANT1.1 L2.2 | length 1.1
  L 01 w0.4: ANT1.1@8.388,36.67 L2.2@9.44,36.67
NetC1_1: C1.1 L1.2 U1.1 U1.4 | length 3.2
  L 06 w0.2: L1.2@32.953,25.022 33.827,25.022 33.827,26.115 U1.4@33.831,26.12 U1.1@33.831,27.32
NetC62_1: C62.1 C63.1 L4.1 U2.G8 | length 2.6
  L 01 w0.1: v1(33.807,22.695) U2.G8@34.147,22.355
  L 06 w0.2: L4.1@32.93,23.535 32.934,23.531 33.78,23.531 33.78,22.722 v1(33.807,22.695) 34.18,22.695 C62.1@34.204,22.672
NetD1_K: D1.K R31.1 | length 1
  L 01 w0.1: D1.K@57.226,38.159 D1.K@57.234,38.151 ; R31.1@57.304,37.186 D1.K@57.304,38.151
NetD3_A: D3.A R24.1 | length 1
  L 01 w0.1: R24.1@55.437,37.186 55.444,37.193 D3.A@55.444,38.151
NetIC1_1: IC1.1 TP4.1 | length 23.7
  L 01 w0.2: TP4.1@31,35.9 33,37.9 40,37.9 42,35.9 47.7,35.9 48.9,37.1 50.9,37.1 51.453,37.653 IC1.1@51.453,38.554
NetIC1_3: IC1.3 TP5.1 | length 23.9
  L 01 w0.2: TP5.1@28.4,35.9 30.799,38.299 40.272,38.299 42.26,36.311 47.389,36.311 49.553,38.475 IC1.3@49.553,38.554
NetJ2_5: J2.5 R26.2 | length 2.5
  L 06 w0.1: R26.2@47.892,12.311 47.892,13.152 48.608,13.868 J2.5@49.246,13.868 J2.5@49.238,13.86
NetJ3_1: J3.1 R15.1 | length 1.2
  L 01 w0.4: J3.1@13.59,34.925 R15.1@13.59,36.1
NetJ4_5: J4.5 R27.2 | length 7.4
  L 01 w0.1: v1(57.303,23.563) J4.5@57.303,24.731 ; R27.2@57.353,17.378 v1@57.353,20.152
  L 04 1.0V SIG w0.1: v1(57.303,23.563) 57.303,20.195 v1(57.347,20.152)
  L 06 w0.1: v1(57.303,23.563) v1@57.347,23.52
NetJ5_1: J5.1 R34.2 | length 11.8
  L 06 w0.2: J5.1@4.49,21.52 8.549,17.461 8.549,13.451 9,13 R34.2@10.45,13
NetJ5_2: J5.2 R34.4 | length 17.8
  L 01 w0.2: J5.2@1.95,21.52 1.95,19.78 3.23,18.5 6,18.5 8,16.5 8,13.5 8.75,12.75 10,12.75 10.45,13.2 10.45,13.7 9.9,14.25 v1(9.5,14.25)
  L 06 w0.2: v1(9.5,14.25) 9.675,14.075 R34.4@10.45,14.075
NetJ5_3: J5.3 R34.1 | length 17.7
  L 06 w0.2: J5.3@4.49,24.06 4.06,24.06 3.25,23.25 3.25,20 3.75,19.5 5.75,19.5 8,17.25 8,13 8.575,12.425 R34.1@10.45,12.425
NetJ5_4: J5.4 R34.3 | length 16.3
  L 01 w0.2: J5.4@1.95,24.06 3.25,22.76 3.25,19.75 4.02,18.98 6.381,18.98 8.549,16.812 8.549,13.951 9,13.5 v1(9.75,13.5)
  L 06 w0.2: v1(9.75,13.5) R34.3@10.45,13.5
NetJ8_1: J8.1 R35.1 | length 9.8
  L 01 w0.2: R35.1@68.725,22.65 71.43,22.65 71.8,23.02 71.8,27.81 J8.1@70.51,29.1
NetJ8_2: J8.2 R35.3 | length 5.1
  L 01 w0.2: R35.3@67.65,22.65 67.65,23.55 70.51,26.41 J8.2@70.51,26.56
NetJ8_3: J8.3 R35.2 | length 3.4
  L 01 w0.2: R35.2@68.15,22.65 68.15,23.45 68.72,24.02 J8.3@70.51,24.02
NetJ8_4: J8.4 R35.4 | length 4.2
  L 01 w0.1: R35.4@67.075,22.65 67.075,22.225 67.2,22.1 69.89,22.1 J8.4@70.51,21.48
NetJ8_7: J8.7 R42.8 | length 17.7
  L 01 w0.2: R42.8@69.775,12.75 v1(69.775,14.1)
  L 04 1.0V SIG w0.1: v1(69.775,14.1) 71.5,15.825 71.5,27.55 J8.7@73.05,29.1
NetJ8_8: J8.8 R42.7 | length 14.9
  L 01 w0.2: R42.7@70.35,12.75 v1(70.35,13.55)
  L 04 1.0V SIG w0.1: v1(70.35,13.55) 70.35,14.25 71.8,15.7 71.8,25.31 J8.8@73.05,26.56
NetJ8_9: J8.9 R42.6 | length 12.2
  L 01 w0.2: R42.6@70.85,12.75 v1(70.85,14.1)
  L 04 1.0V SIG w0.1: v1(70.85,14.1) 72.1,15.35 72.1,23.07 J8.9@73.05,24.02
NetJ8_10: J8.10 R42.5 | length 10.5
  L 01 w0.2: R42.5@71.425,12.75 v1(71.425,13.525)
  L 04 1.0V SIG w0.1: v1(71.425,13.525) 71.5,13.6 72,13.6 74,15.6 74,20.53 J8.10@73.05,21.48
NetL2_1: L2.1 L3.1 R14.2 | length 1.8
  L 01 w0.4: L2.1@10.44,36.67 R14.2@12.2,36.67
NetR1_1: R1.1 U1.3 | length 1.3
  L 06 w0.2: U1.3@35.331,26.12 35.583,25.868 R1.1@35.583,24.878
NetR14_1: R14.1 R15.2 U5.14 | length 4.6
  L 01 w0.4: R14.1@12.774,36.674 U5.14@17.325,36.674
NetR32_2: R32.2 R33.1 U7.16 | length 1.9
  L 01 w0.2: R32.2@9.5,17.05 9.5,16.659 R33.1@9.766,16.393 ; R33.1@9.746,16.469 U7.16@10.87,16.469
NU_B13_IO1: U2.V5
NU_B13_IO2: U2.U7
NU_B13_IO3: U2.V7
NU_B13_IO4: U2.T9
NU_B13_IO5: U2.U10
NU_B13_IO6: U2.Y7
NU_B13_IO9: U2.Y8
NU_B13_IO10: U2.V8
NU_B13_IO11: U2.W8
NU_B13_IO12: U2.W10
NU_B13_IO14: U2.U9
NU_B13_IO15: U2.U8
NU_B13_IO16: U2.W11
NU_B13_IO17: U2.Y11
NU_B13_IO18: U2.T5
NU_B13_IO19: U2.U5
NU_B13_IO20: U2.Y12
NU_B13_IO21: U2.Y13
NU_B13_IO22: U2.V11
NU_B13_IO23: U2.V10
NU_B13_VCC1: U2.T8
NU_B13_VCC2: U2.U11
NU_B13_VCC3: U2.W7
NU_B13_VCC4: U2.Y10
NU_DDR_1: U2.H6
NU_DDR_2: U2.P6
NU_DDR_3: U2.C3
NU_DDR_4: U2.B3
NU_DDR_5: U2.A2
NU_DDR_6: U2.A4
NU_DDR_7: U2.D3
NU_DDR_8: U2.D1
NU_DDR_9: U2.C1
NU_DDR_10: U2.E1
NU_DDR_11: U2.E2
NU_DDR_12: U2.E3
NU_DDR_13: U2.G3
NU_DDR_14: U2.H3
NU_DDR_15: U2.J3
NU_DDR_16: U2.H2
NU_DDR_17: U2.H1
NU_DDR_18: U2.J1
NU_DDR_19: U2.P1
NU_DDR_20: U2.P3
NU_DDR_21: U2.R3
NU_DDR_22: U2.R1
NU_DDR_23: U2.T4
NU_DDR_24: U2.U4
NU_DDR_25: U2.U2
NU_DDR_26: U2.U3
NU_DDR_27: U2.V1
NU_DDR_28: U2.Y3
NU_DDR_29: U2.W1
NU_DDR_30: U2.Y4
NU_DDR_31: U2.Y2
NU_DDR_32: U2.W3
NU_DDR_33: U2.V2
NU_DDR_34: U2.V3
NU_DDR_35: U2.C2
NU_DDR_36: U2.B2
NU_DDR_37: U2.G2
NU_DDR_38: U2.F2
NU_DDR_39: U2.R2
NU_DDR_40: U2.T2
NU_DDR_41: U2.W5
NU_DDR_42: U2.W4
NU_DDR_43: U2.N2
NU_DDR_44: U2.K2
NU_DDR_45: U2.M3
NU_DDR_46: U2.K3
NU_DDR_47: U2.M4
NU_DDR_48: U2.L1
NU_DDR_49: U2.L4
NU_DDR_50: U2.K4
NU_DDR_51: U2.K1
NU_DDR_52: U2.J4
NU_DDR_53: U2.F5
NU_DDR_54: U2.G4
NU_DDR_55: U2.E4
NU_DDR_56: U2.D4
NU_DDR_57: U2.F4
NU_DDR_58: U2.L5
NU_DDR_59: U2.R4
NU_DDR_60: U2.J5
NU_DDR_61: U2.A1
NU_DDR_62: U2.F1
NU_DDR_63: U2.T1
NU_DDR_64: U2.Y1
NU_DDR_65: U2.L2
NU_DDR_66: U2.M2
NU_DDR_67: U2.H5
NU_DDR_68: U2.G5
NU_DDR_69: U2.N5
NU_DDR_70: U2.N1
NU_DDR_71: U2.N3
NU_DDR_72: U2.M5
NU_DDR_73: U2.P5
NU_DDR_74: U2.P4
NU_DDR_75: U2.B4
PROG_B: R37.1 U2.L6 | length 1
  L 01 w0.1: v1(30.607,24.295) U2.L6@30.947,23.955
  L 06 w0.2: R37.1@30.134,24.303 30.142,24.295 v1(30.607,24.295)
PS_CLK: R1.2 U2.E7 | length 2.2
  L 01 w0.1: v1(35.407,22.815) U2.E7@35.747,23.155
  L 06 w0.1: v1(35.407,22.815) 35.782,23.19 35.782,23.77 35.583,23.969 R1.2@35.583,24.288
PS_POR_B: IC1.4 U2.C7 | length 20.1
  L 01 w0.1: U2.C7@37.347,23.155 v1(37.687,22.815) ; IC1.4@49.553,36.154 49.553,35.208 v1@49.562,35.199
  L 04 1.0V SIG w0.1: v1(37.687,22.815) 37.687,23.608 39.339,25.259 40.975,25.259 46.613,30.897 47.36,30.897 49.534,33.072 v1(49.534,35.196)
SPI0_CS: R3.2 U2.A7 U3.C2 | length 8
  L 01 w0.1: U2.A7@38.947,23.155 42.969,23.155 44.884,21.24 45.715,21.24 U3.C2@46.052,21.577
SPI0_DQ1/M1: R13.2 U2.D6 U3.D2 | length 11
  L 01 w0.1: U2.D6@36.547,23.955 36.919,23.584 42.171,23.584 ; R13.2@42.159,24.592 42.159,23.595 42.171,23.584 ; U3.D2@45.052,21.577 44.625,22.005 44.625,22.792 43.833,23.584 42.171,23.584
SPI0_DQ2/M2: R6.1 U2.B7 U3.C4 | length 10.7
  L 01 w0.1: U2.B7@38.147,23.155 38.197,23.155 38.572,22.78 38.922,22.78 39.673,22.78 40.163,22.29 41.302,22.29 41.875,22.863 42.74,22.863 43.273,22.33 43.273,21.353 43.716,20.909 45.198,20.909 46.052,20.055 U3.C4@46.052,19.577
SPI0_DQ3/M3: R5.1 U2.A6 U3.D4 | length 14.1
  L 01 w0.1: U2.A6@38.947,23.955 39.918,23.955 41.054,25.091 43.967,25.091 44.188,24.87 44.188,24.592 44.188,24.184 45.53,22.842 45.53,22.308 45.799,22.04 46.161,22.04 46.526,21.675 46.526,19.431 46.324,19.229 45.401,19.229 U3.D4@45.052,19.577
SPI0_DQO/M0: R12.2 U2.B8 U3.D3 | length 8.2
  L 01 w0.1: U2.B8@38.147,22.355 38.547,21.955 39.373,21.955 40.468,20.859 40.954,20.859 42.088,20.859 42.431,21.202 42.916,21.202 43.889,20.229 44.704,20.229 U3.D3@45.052,20.577
SPI0_SCK: R4.1 U2.A5 | length 6.8
  L 01 w0.1: U2.A5@38.947,24.755 39.258,24.755 39.539,25.036 40.434,25.036 40.81,25.413 44.061,25.413 44.857,24.617 R4.1@45.136,24.617
SPI0_SCK/M4: R4.2 R11.2 U3.B2 | length 4.1
  L 01 w0.1: R4.2@45.726,24.617 R11.2@46.627,24.617 ; R11.2@46.633,24.623 R11.2@46.627,24.617 ; U3.B2@47.052,21.577 46.642,21.988 46.642,24.602 R11.2@46.627,24.617
SPI1_CS: R7.1 U2.E6 U4.C2 | length 17.3
  L 01 w0.1: 34.56,25.765 34.796,26.002 35.145,26.002 35.343,26.2 ; 34.562,25.765 34.562,25.446 34.902,25.105 35.092,25.105 35.297,24.9 35.297,24.405 U2.E6@35.747,23.955 ; 35.345,26.2 35.345,28.321 36.43,29.406 39.552,29.406 40.466,30.319 45.392,30.319 U4.C2@46.042,29.669
SPI1_DQ0: U2.E9 U4.D3 | length 13.2
  L 01 w0.1: v1(35.407,21.215) U2.E9@35.747,21.555 ; v1(44.702,28.329) U4.D3@45.042,28.669
  L 04 1.0V SIG w0.1: v1(35.407,21.215) 35.807,21.615 36.487,21.615 37.287,22.415 38.702,22.415 v1@44.659,28.372
SPI1_DQ1: U2.C6 U4.D2 | length 12.7
  L 01 w0.1: U2.C6@37.347,23.955 37.652,23.955 38.002,24.305 38.192,24.305 38.597,24.71 38.597,24.9 38.802,25.105 39.222,25.105 40.223,26.106 43.853,26.106 44.961,26.106 45.689,26.833 45.689,29.022 U4.D2@45.042,29.669
SPI1_DQ2: U2.D9 U4.C4 | length 13.7
  L 01 w0.1: v1(36.207,21.215) U2.D9@36.547,21.555 ; U4.C4@46.042,27.669 v1(46.382,27.329)
  L 04 1.0V SIG w0.1: v1(36.207,21.215) 36.441,21.215 36.841,21.615 39.34,21.615 45.053,27.329 v1(46.382,27.329)
SPI1_DQ3: U2.E8 U4.D4 | length 13.6
  L 01 w0.1: U2.E8@35.747,22.355 36.097,22.705 36.097,24.079 36.377,24.36 37.447,24.36 37.797,24.71 37.797,25.809 37.993,26.005 38.292,26.005 38.5,26.213 38.5,26.588 38.662,26.75 39.166,26.75 40.613,28.197 44.088,28.197 44.616,27.669 U4.D4@45.042,27.669
SPI1_SCK: R8.1 U2.B5 | length 3.9
  L 01 w0.1: U2.B5@38.147,24.755 38.147,25.06 38.532,25.445 38.532,25.741 38.696,25.905 39.625,25.905 40.375,26.655 R8.1@40.942,26.655
SPI1_SCKR: R8.2 U4.B2 | length 10.4
  L 01 w0.1: R8.2@40.942,27.245 43.33,27.245 43.421,27.154 45.205,27.154 45.418,27.366 45.418,28.838 45.059,29.196 44.817,29.196 44.633,29.38 44.633,29.854 44.775,29.996 45.256,29.996 45.908,29.344 46.177,29.344 46.502,29.669 U4.B2@47.042,29.669
SPI_SCK_FB/VCFG1: R10.2 U2.D5 | length 8.4
  L 01 w0.1: U2.D5@36.547,24.755 36.197,25.105 36.197,25.7 36.402,25.905 36.722,25.905 36.967,26.15 36.967,28.226 37.608,28.867 R10.2@41.016,28.867
TCK: J7.4 U2.F9 | length 17.1
  L 01 w0.1: J7.4@33.27,30.95 32.42,31.8 30.2,31.8 29.5,31.1 29.5,30.032 30.532,29 31.5,29 32.1,28.4 32.1,26.309 32.505,25.904 32.692,25.904 32.896,25.7 32.896,25.513 33.203,25.206 33.39,25.206 33.696,24.9 33.696,24.713 34.003,24.406 34.19,24.406 34.579,24.017 34.579,21.924 U2.F9@34.947,21.555
TDI: J7.2 U2.G6 | length 10.2
  L 01 w0.1: J7.2@28.19,30.95 28.19,30.61 30.598,28.202 30.598,27.811 30.803,27.606 30.99,27.606 31.3,27.296 31.3,26.309 31.603,26.006 31.79,26.006 32.198,25.598 32.198,25.374 32.372,25.2 32.7,25.2 32.926,24.974 32.926,24.574 33.165,24.335 33.496,24.335 33.875,23.955 U2.G6@34.147,23.955
TDO: J7.3 U2.F6 | length 8.9
  L 01 w0.1: J7.3@30.73,30.55 32.1,29.18 32.82,29.18 33.798,28.202 33.798,26.211 33.8,26.209 33.8,25.803 33.798,25.801 33.798,25.411 34.003,25.206 34.19,25.206 34.5,24.896 34.5,24.402 U2.F6@34.947,23.955
TMS: J7.1 U2.J6 | length 11.4
  L 01 w0.1: J7.1@25.65,30.55 25.822,30.55 28.133,28.238 28.133,26.144 28.319,25.958 31.11,25.958 31.387,25.681 31.387,25.314 31.595,25.105 31.892,25.105 32.097,24.9 32.097,24.405 U2.J6@32.547,23.955
pads on no net: ANT1.2 ANT1.3 ANT1.4 J2.H1 J2.H2 PM1.0 PM2.0 PM3.0 PM4.0 PM5.0 PM6.0 SW1.0 SW1.1 U2.D20 U2.E11 U2.M9 U2.M10 U3.A2 U3.A3 U3.A4 U3.A5 U3.B1 U3.B5 U3.C1 U3.C3 U3.C5 U3.D1 U3.D5 U3.E1 U3.E2 U3.E3 U3.E4 U3.E5 U4.A2 U4.A3 U4.A4 U4.A5 U4.B1 U4.B5 U4.C1 U4.C3 U4.C5 U4.D1 U4.D5 U4.E1 U4.E2 U4.E3 U4.E4 U4.E5 U5.10 U5.11 U5.23 U5.24 U7.8 U7.9 U7.10 U7.11 U7.12 U7.13 U7.14 U8.8 U8.9 U8.10 U8.11 U8.12 U8.13 U8.14 U8.16

## Polygon pours and split planes (outlines as drawn)
GND on L 02 Gnd "L02-GND" (solid, remove dead copper, pour order 14): 0,0 75,0 75,40 0,40
GND on L 05 Gnd "L05-GND" (solid, remove dead copper, pour order 18): 0,0 75,0 75,40 0,40
3.3V on L 03 1.8V 3.3V "L03-3V3" (solid, remove dead copper, pour order 16): 0,40 0,0 75,0 75,40
1.8V on L 03 1.8V 3.3V "L03-1V8" (solid, remove dead copper, pour order 15): 31.872,24.287 31.872,25.64 31.589,25.924 30.977,26.536 29.862,26.536 29.377,26.536 27.833,24.992 27.641,24.8 26.426,24.8 25.389,24.8 22.496,27.693 16.682,27.693 16.682,29.75 19.735,29.75 20.043,30.058 20.043,31.465 20.043,31.953 20.186,32.096 20.415,32.326 21.19,32.326 35.781,32.326 39.987,28.119 39.987,26.305 38.457,24.775 34.93,21.248 34.93,20.001 34.93,19.451 34.748,19.269 33.479,18 33.479,14.75 34.842,14.75 34.842,13.6 37.596,13.6 37.596,12.403 37.596,11.908 37.492,11.908 33.75,11.908 30.458,11.908 30.458,16.579 27.824,19.234 27.696,19.362 27.696,20.459 27.696,20.843 28.028,21.175 30.08,22.544 30.623,22.768 31.337,22.765 31.355,22.765 31.717,23.127 31.872,23.283
1V on L 04 1.0V SIG "L 06-No Net" (solid, remove dead copper, pour order 10): 20.9,20.5 20.9,25.1 31.654,25.1 34,22.754 34,17.759 33.741,17.5 27.369,17.5 24.369,20.5

## Keep-outs
Keep-Out Layer:
  the board outline again, w0.2

## Other copper
L 01:
  region net 1.8V: 14.664,26.078 15.005,26.078 16.505,27.578 18.458,27.578 18.918,28.038 18.918,28.853 18.554,29.217 15.591,29.217 14.65,28.277 13.87,28.277 13.574,27.981 13.574,27.782 13.601,27.782 13.767,27.616 13.772,27.621 14.209,27.621 14.6,27.23 14.6,26.305
  region net GND: 14.5,36 16.5,36 16.5,31 11,31 0.25,31 0.25,32.954 10,32.954 10,36 12.75,36 12.75,32.1 14.5,32.1
  region net GND: 10,39.75 16.5,39.75 16.5,37.25 10,37.25
  region net 3.3V: 11.71,15.813 14.427,15.813 14.579,15.966 14.579,17.161 14.686,17.267 14.942,17.267 15.546,16.663 16.874,16.663 17.011,16.526 17.011,16.226 15.839,15.054 12.015,15.054 11.657,15.412
  region net 1V: 14.684,18.922 15.025,18.922 16.525,20.422 20.822,20.422 22.461,22.061 22.461,24.956 22.263,25.1 20.9,25.1 20.9,23.1 19.861,22.061 15.611,22.061 14.671,21.12 13.89,21.12 13.595,20.825 13.595,20.626 13.621,20.626 13.787,20.46 14.229,20.465 14.621,20.073 14.621,19.149
  region net GND: 14.639,18.568 14.999,18.568 16.129,19.698 17.464,19.698 17.718,19.444 17.718,18.021 17.544,17.847 15.469,17.847 15.047,18.269 14.726,18.269
  region net GND: 14.683,17.923 15.173,17.923 15.409,17.687 17.512,17.687 17.698,17.5 17.698,17.142 17.476,16.92 15.578,16.92 14.846,17.652
  region net GND: 14.663,25.079 15.153,25.079 15.388,24.843 17.491,24.843 17.678,24.657 17.678,24.298 17.456,24.076 15.558,24.076 14.826,24.808
  region net GND: 14.619,25.724 14.979,25.724 16.109,26.854 17.444,26.854 17.698,26.601 17.698,25.177 17.524,25.003 15.449,25.003 15.026,25.426 14.706,25.426
  region net 3.3V: 13.741,22.834 14.406,22.834 14.65,23.078 14.65,24.275 14.8,24.425 14.922,24.425 15.517,23.83 17.477,23.83 17.696,23.611 17.696,23.167 17.371,22.841 15.499,22.841 14.654,21.996 13.457,21.996 13.457,22.148 13.678,22.369
  pour cut-out: 14.139,28.404 11.462,28.404 10.519,27.46 10.519,23.419 11.573,22.365 14.273,22.365 15.354,23.445 17.672,23.445 18.25,24.023 18.25,27.977 17.942,28.285 15.72,28.285
  pour cut-out: 13.89,21.12 11.214,21.12 10.27,20.177 10.27,16.135 11.324,15.081 16.343,15.081 18.002,16.74 18.002,20.693 17.694,21.001 15.471,21.001
L 06:
  region net GND: 0.996,27.5 9.246,27.5 9.246,25.463 0.996,25.463
  region net 3.3V: 1,30.25 9.25,30.25 9.25,28.25 1,28.25

## Silkscreen, mask and mechanical layers (free items; w line width, h text height)
Top Overlay:
  text "ZoM-A-01" at 13.57,10.717 h2
Bottom Overlay:
  text "J2" at 9.201,35.61 h2
  text "J1" at 9.1,8.3 h2
Dim-Top-GM1:
  text "Top View" at 32.314,41.755 h2
Fab-Notes-GM5:
  text "Place no Tabs at marked positions" at 37.739,44.022 h1.5
  text "Place no Tabe at marked positions" at 17.445,-5.975 h1.5
PCB-Outline-GM6:
  the board outline again, w0.1
Assembly Top-GM13:
  text "Top View" at 20.026,42.435 h2
Assembly Bot-GM14:
  text "Bottom View" at 33.976,42.185 h2

## Dimensions
9.763,18.98 to 1.95,29.14 on Dim-Top-GM1
4.45,14.52 to 1.95,21.52 on Dim-Top-GM1
4.45,36.14 to 1.95,29.14 on Dim-Top-GM1
0,0 to 0,0 on Drill Drawing
0,0 to 0,40 on Dim-Top-GM1
0,0 to 75,0 on Dim-Top-GM1
7.02,6.27 to 1.95,21.52 on Dim-Top-GM1
7.02,6.27 to 1.95,21.52 on Dim-Top-GM1
67.98,3.73 to 73.05,21.52 on Dim-Top-GM1

## Text inside footprints (layer, text, board x,y; h text height)
D1: Assembly Top-GM13 "K" at 56.876,38.034 h0.7 r270; Assembly Top-GM13 "A" at 56.876,39.759 h0.7 r270
D3: Assembly Top-GM13 "K" at 55.794,39.276 h0.7 r90; Assembly Top-GM13 "A" at 55.794,37.551 h0.7 r90
J1: Assembly Top-GM13 "2" at 70.18,4.48 h1.5 r180; Assembly Top-GM13 "1" at 69.68,7.02 h1.5 r180; Assembly Top-GM13 "50" at 5.82,4.48 h1.5 r180; Assembly Top-GM13 "49" at 5.82,7.02 h1.5 r180
J5: Assembly Top-GM13 "2" at 1.82,20.38 h1 r90; Assembly Top-GM13 "8" at 1.82,29.605 h1 r90; Assembly Top-GM13 "7" at 5.62,29.605 h1 r90; Assembly Top-GM13 "1" at 5.52,20.525 h1 r90
J7: Assembly Top-GM13 "1" at 23.625,30 h1.52; Assembly Top-GM13 "6" at 39.85,30 h1.52
J8: Assembly Top-GM13 "1" at 69.98,30.75 h1 r270; Assembly Top-GM13 "7" at 72.58,30.75 h1 r270; Assembly Top-GM13 "12" at 72.58,15.45 h1 r270; Assembly Top-GM13 "6" at 69.98,15.45 h1 r270
S3: Assembly Top-GM13 "4" at 42.848,38.047 h1 r270; Assembly Top-GM13 "3" at 44.118,38.047 h1 r270; Assembly Top-GM13 "1" at 46.638,38.047 h1 r270; Assembly Top-GM13 "2" at 45.368,38.047 h1 r270; Assembly Top-GM13 "O" at 46.638,34.237 h1 r270; Assembly Top-GM13 "N" at 45.368,34.237 h1 r270